# Altium PCB TIDA-01576_ADS8686S_ISO_Interface.PcbDoc (part 1 of 4) (continued)
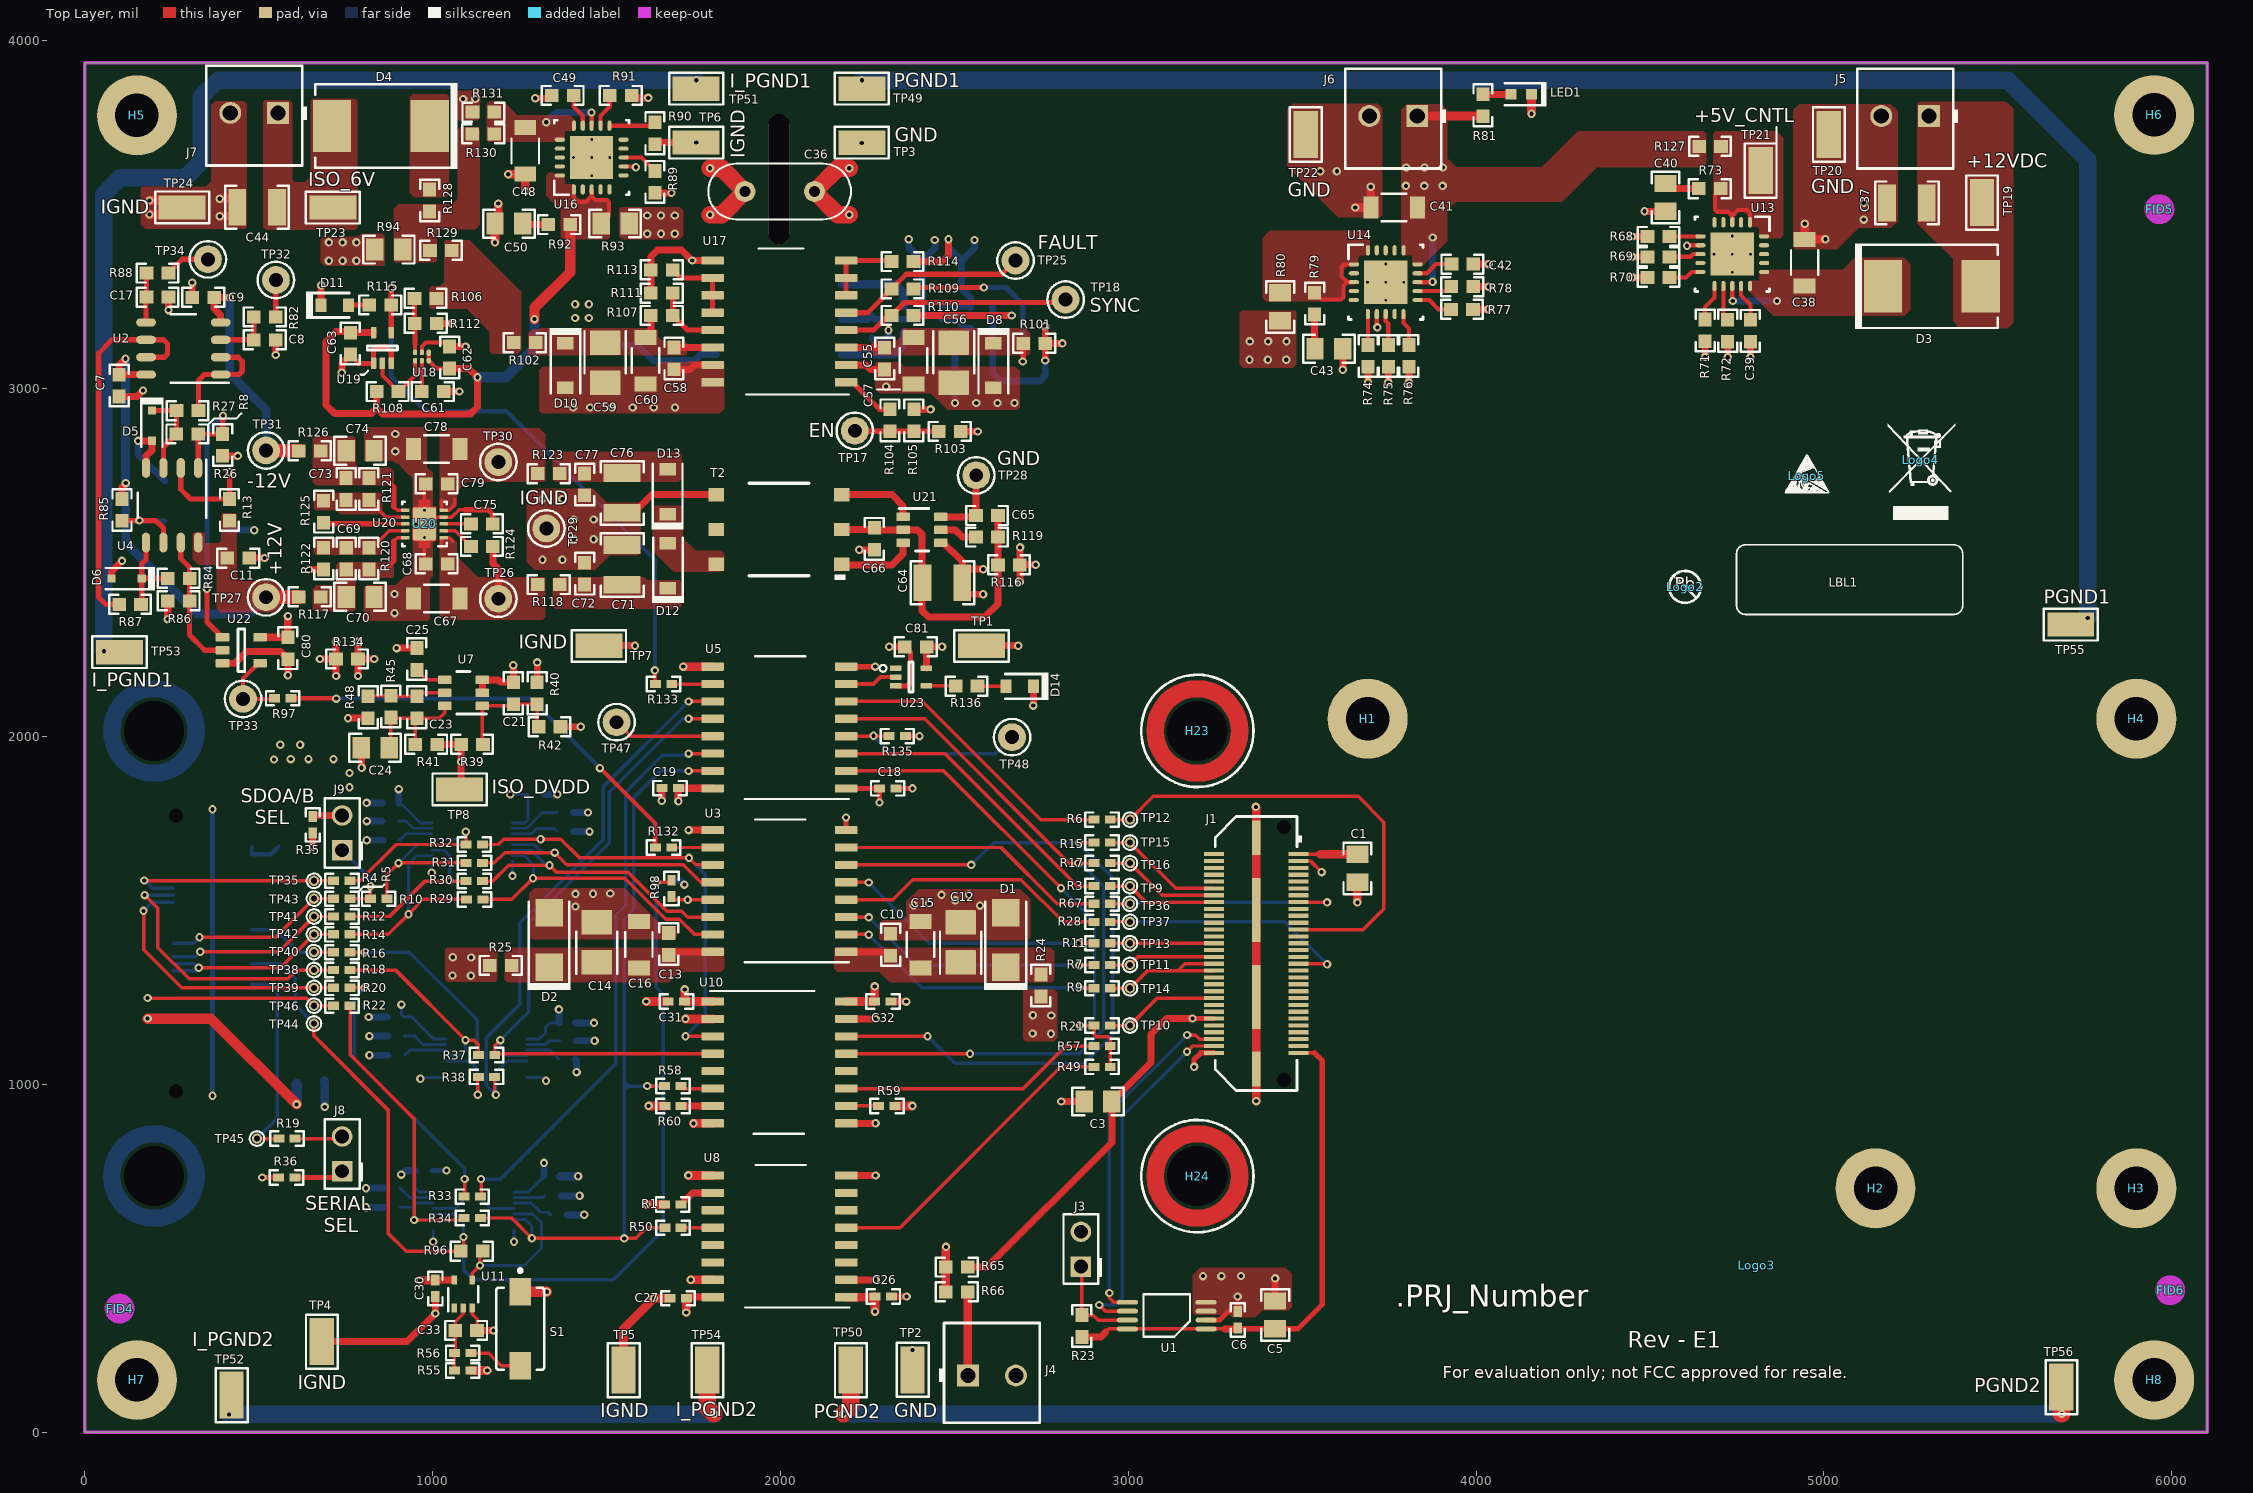
[diagram p0: Top Layer view]
## Components (designator, comment, footprint, x,y, rotation, side; value= is the part's Value field where it differs from the comment) (continued)
TP14 "TP_H0.45P0.75" TP_H045P075 3005.03,1276.24 r180 top
TP15 "TP_H0.45P0.75" TP_H045P075 3005.03,1695 r90 top
TP16 "TP_H0.45P0.75" TP_H045P075 3005.03,1636 r90 top
TP17 "5002" Keystone5002 2214,2879 r90 top
TP18 "5002" Keystone5002 2820,3256 r90 top
TP19 "5015" Testpoint_Keystone_Miniature 5455,3535 r270 top
TP20 "5015" Testpoint_Keystone_Miniature 5014,3731 r90 top
TP21 "5015" Testpoint_Keystone_Miniature 4819,3627 r270 top
TP22 "5015" Testpoint_Keystone_Miniature 3510,3731 r90 top
TP23 "5015" Testpoint_Keystone_Miniature 713,3521 r0 top
TP24 "5015" Testpoint_Keystone_Miniature 280,3521 r180 top
TP25 "5002" Keystone5002 2676,3368.44 r90 top
TP26 "5000" Keystone5000 1189,2396 r90 top
TP27 "5000" Keystone5000 521.24,2400.28 r90 top
TP28 "5001" Keystone5001 2563,2751 r90 top
TP29 "5001" Keystone5001 1327,2598.28 r90 top
TP30 "5000" Keystone5000 1189,2789 r90 top
TP31 "5000" Keystone5000 521.39,2822.73 r270 top
TP32 "5000" Keystone5000 549.49,3312.48 r90 top
TP33 "5000" Keystone5000 455,2108 r0 top
TP34 "5000" Keystone5000 354,3372 r90 top
TP35 "TP_H0.45P0.75" TP_H045P075 658.91,1585 r90 top
TP36 "TP_H0.45P0.75" TP_H045P075 3005.03,1519 r90 top
TP37 "TP_H0.45P0.75" TP_H045P075 3005.03,1467 r90 top
TP38 "TP_H0.45P0.75" TP_H045P075 658.91,1328.57 r90 top
TP39 "TP_H0.45P0.75" TP_H045P075 658.91,1277.29 r90 top
TP40 "TP_H0.45P0.75" TP_H045P075 658.76,1380 r90 top
TP41 "TP_H0.45P0.75" TP_H045P075 658.91,1482.43 r90 top
TP42 "TP_H0.45P0.75" TP_H045P075 658.91,1431.14 r90 top
TP43 "TP_H0.45P0.75" TP_H045P075 658.91,1533.71 r90 top
TP44 "TP_H0.45P0.75" TP_H045P075 658.91,1174.71 r90 top
TP45 "TP_H0.45P0.75" TP_H045P075 495,844 r90 top
TP46 "TP_H0.45P0.75" TP_H045P075 658.91,1226 r90 top
TP47 "5000" Keystone5000 1529,2041 r90 top
TP48 "5000" Keystone5000 2666,1998 r90 top
TP49 "5015" Testpoint_Keystone_Miniature 2234,3862 r180 top
TP50 "5015" Testpoint_Keystone_Miniature 2202,178 r90 top
TP51 "5015" Testpoint_Keystone_Miniature 1757.82,3862 r180 top
TP52 "5015" Testpoint_Keystone_Miniature 422,106 r90 top
TP53 "5015" Testpoint_Keystone_Miniature 100,2242 r180 top
TP54 "5015" Testpoint_Keystone_Miniature 1790,178 r90 top
TP55 "5015" Testpoint_Keystone_Miniature 5710,2322 r0 top
TP56 "5015" Testpoint_Keystone_Miniature 5683,129 r90 top
U1 "BR24G32FVT-3AGE2" TSOP65P640X120-8N 3110.73,334.96 r180 top
U2 "OPA2171AID" D0008A_N 283.49,3115.48 r180 top
U3 "ISO7763DWR" DW0016B_HV 1996.88,1555.81 r180 top
U4 "LM2903DR" D0008A_N 251,2664.84 r270 top
U5 "ISO7763DWR" DW0016B_HV 1996.88,2025.81 r180 top
U6 "SN74AVC4T245DGVR" DGV0016A_N 1113.53,1696.5 r180 bottom
U7 "TPS79101DBVR" DBV0006A_N 1088.89,2125.55 r180 top
U8 "ISO7330CDWR" DW0016B_HV 1997.88,562.81 r180 top
U9 "SN74AVC4T245DGVR" DGV0016A_N 1117.78,635.25 r180 bottom
U10 "ISO7841DWR" DW0016B_HV 1997.88,1062.81 r0 top
U11 "SN74LVC1G17DCKR" DCK0005A_L 1087.91,397.15 r90 top
U12 "SN74AVC4T245DGVR" DGV0016A_N 1154.7,1075 r180 bottom
U13 "TPS7A4700RGWR" RGW0020A 4736.8,3386.8 r270 top
U14 "TPS7A4700RGWR" RGW0020A 3740.36,3306.2 r0 top
U15 "SN6505BDBVR" DBV0006A_N 2409,3199.63 r0 bottom
U16 "TPS7A4700RGWR" RGW0020A 1457.41,3664.59 r90 top
U17 "UCC12050DVER" DVE0016A 1996.88,3193.44 r180 top
U18 "TPS3897ADRYR" DRY0006A 969.25,3092.52 r270 top
U19 "SN74LVC1G125DCKR" DCK0005A_N 855.72,3117 r90 top
U20 "TPS7A3901DSC" DSC0010J 976.66,2611.26 r180 top
U21 "SN6505BDBVR" DBV0006A_N 2407,2594.28 r0 top
U22 "SN74LVC1G32DBVR" DBV0005A_N 450.04,2248 r0 top
U23 "SN74LVC1G17DCKR" DCK0005A_N 2375.48,2171 r0 top
ZZ1 "This Assembly Note is for PCB labels only" AssemblyNoteLabel 47.25,5087.25 r0 top
ZZ2 "These assemblies are ESD sensitive, ESD precautions shall be observed." AssemblyNote 47.25,4978.36 r0 top
ZZ3 "These assemblies must be clean and free from flux and all contaminants. Use of no clean flux is not acceptable." AssemblyNote 47.25,4889.81 r0 top
ZZ4 "These assemblies must comply with workmanship standards IPC-A-610 Class 2, unless otherwise specified." AssemblyNote 47.25,4801.25 r0 top

## Footprints (in the part's own frame and the unit in brackets; to place one, negate y for a bottom-side part, rotate by r counter-clockwise, add the part's x,y. Pads: shape width x height; smd on the part's side, far side on the other; paste and mask are expansions set on the pad)
0402 [mm] "0402 from SM-752 data"
  rect 0.8x0.6 smd: 1(-0.6,0) 2(0.6,0)
  silkscreen extent -1.22,-0.52 1.22,0.52, body extent -0.55,-0.3 0.55,0.3, height 0.6
0603 [mm] "0603 from SM-752 data"
  rect 1x0.95 smd: 1(-0.8,0) 2(0.8,0)
  silkscreen extent -1.52,-0.69 1.52,0.69, body extent -0.87,-0.47 0.87,0.47, height 1
0603_HV [mil] "Ernesto recommended land pattern.  26 mil between pads."
  rect 30x30 smd: 1(-28,0) 2(28,0)
  silkscreen extent -52,-24 52,24, body extent -34,-19 34,19, height 39
0805_HV [mil] "0805 with 30mil clearance between pads"
  rect 50x63 smd: 1(-40,0) 2(40,0)
  silkscreen extent -74,-40 74,40, body extent -43,-29 43,29, height 57
1206 [mm] "1206 from SM-752 data"
  rect 1.3x1.85 smd: 1(-1.45,0) 2(1.45,0)
  silkscreen extent -2.4,-1.21 2.4,1.21, body extent -1.7,-0.9 1.7,0.9, height 1.35
1206_180 [mm] "1206_180"
  rect 1.1x1.6 smd: 1(-1.7,0) 2(1.7,0)
  silkscreen extent -0.9,-1 0.9,1, body extent -1.75,-0.95 1.75,0.95, height 1.8
1206_190 [mm] "1206_190"
  rect 1.1x1.6 smd: 1(-1.7,0) 2(1.7,0)
  silkscreen extent -0.9,-1 0.9,1, body extent -1.75,-0.95 1.75,0.95, height 1.9
1210 [mm] "1210 from SM-752 data"
  rect 1.3x2.7 smd: 1(-1.45,0) 2(1.45,0)
  silkscreen extent -2.32,-1.57 2.32,1.57, body extent -1.7,-1.35 1.7,1.35, height 1.35
1210_270 [mm] "1210"
  rect 1.3x2.7 smd: 1(-1.45,0) 2(1.45,0)
  silkscreen extent -2.32,-1.57 2.32,1.57, body extent -1.7,-1.35 1.7,1.35, height 2.7
3528-21 [mm] "Medium Density IPC, based on Kemet datasheet 2016-10-20"
  rrect6% 1.8x2.23 smd: 1(-1.46,0) 2(1.46,0)
  silkscreen extent -2.29,-1.5 0.76,1.5, body extent -1.85,-1.5 1.85,1.5, height 2.12
760390015 [mm]
  rect 1.27x0.66 smd mask+0.102: 1(0,0) 2(0,-2.54) 3(0,-5.08) 4(9.14,-5.08) 5(9.14,-2.54) 6(9.14,0)
  silkscreen extent -1.72,-6.35 10.2,1.27, body extent -1,-6.4 10.2,1.2, height 4.2
AssemblyNote [mil] "Assembly Note"
AssemblyNoteLabel [mil] "Assembly Note for PCB Labels"
B_F_PMSSS4400025PH [mil] "MACHINE SCREW PAN PHILLIPS 4-40"
  round 230 hole 125: 1(0,0)
  body extent -109,-109 110,110, height 79
CAP_200mil [mil]
  round 60 hole 32 mask+5: 1(-100,0)
  round 60 hole 32 mask+4: 2(100,0)
  silkscreen extent -205,-80 205,80
CONN_PEC02SAAN [mm] "SULLINS"
  rrect7% 1.5x1.5 hole 1.016: 1(-1.27,0)
  round 1.5 hole 1.016: 2(1.27,0)
  silkscreen extent -2.54,-1.52 2.54,1.27, body extent -2.54,-1.27 2.54,1.27, height 8.38
D0008A_N [mm] "SOIC, 8-Leads, Body 4.9x3.9mm, Pitch 1.27mm, IPC Medium Density"
  oval 1.45x0.6 smd: 1(-2.725,1.905) 2(-2.725,0.635) 3(-2.725,-0.635) 4(-2.725,-1.905) 5(2.725,-1.905) 6(2.725,-0.635) 7(2.725,0.635) 8(2.725,1.905)
  silkscreen extent -3.3,-2.5 0.9,2.5, body extent -3,-2.45 3,2.45, height 1.63
DBV0005A_N [mm] "SOT23, 5-Leads, Body 2.9x1.6mm, Pitch 0.95mm, Lead Span 2.8mm, IPC Medium Density"
  rrect17% 1x0.6 smd: 1(-1.375,0.95) 2(-1.375,0) 3(-1.375,-0.95) 4(1.375,-0.95) 5(1.375,0.95)
  silkscreen extent -0.25,-1.55 0.25,1.55, body extent -1.42,-1.46 1.42,1.46, height 1.09
DBV0006A_N [mm] "SOT23, 6-Leads, Body 2.9x1.6mm, Pitch 0.95mm, Lead Span 2.8mm, IPC Medium Density"
  rrect17% 1x0.6 smd: 1(-1.375,0.95) 2(-1.375,0) 3(-1.375,-0.95) 4(1.375,-0.95) 5(1.375,0) 6(1.375,0.95)
  silkscreen extent -1.68,-1.55 0.5,1.55, body extent -1.42,-1.46 1.42,1.46, height 1.12
DCK0005A_L [mm] "SOT353, 5-Leads, Body 2x1.3mm, Pitch 0.65mm, Lead Span 2.1mm, IPC High Density"
  rrect25% 0.65x0.4 smd: 1(-1.025,0.65) 2(-1.025,0) 3(-1.025,-0.65) 4(1.025,-0.65) 5(1.025,0.65)
  silkscreen extent -1.27,-1.09 0.56,1.09, body extent -1.14,-1 1.14,1, height 0.95
DCK0005A_N [mm] "SOT353, 5-Leads, Body 2x1.3mm, Pitch 0.65mm, Lead Span 2.1mm, IPC Medium Density"
  rrect25% 0.85x0.4 smd: 1(-1.125,0.65) 2(-1.125,0) 3(-1.125,-0.65) 4(1.125,-0.65) 5(1.125,0.65)
  silkscreen extent -0.15,-1.1 0.15,1.1, body extent -1.14,-1 1.14,1, height 0.95
DGV0016A_N [mm] "TSSOP, 16-Leads, Body 3.6x4.4mm, Pitch 0.4mm, IPC Medium Density"
  oval 1.4x0.2 smd: 1(-2.95,1.4) 2(-2.95,1) 3(-2.95,0.6) 4(-2.95,0.2) 5(-2.95,-0.2) 6(-2.95,-0.6) 7(-2.95,-1) 8(-2.95,-1.4) 9(2.95,-1.4) 10(2.95,-1) 11(2.95,-0.6) 12(2.95,-0.2) 13(2.95,0.2) 14(2.95,0.6) 15(2.95,1) 16(2.95,1.4)
  silkscreen extent -3.45,-1.85 1.85,1.85, body extent -3.21,-1.8 3.21,1.8, height 1.2
DRY0006A [mm] "USON-6"
  rrect67% 0.45x0.3 smd paste-0.05 mask-0.05: 1(-0.275,0.5)
  rrect67% 0.4x0.3 smd paste-0.05 mask-0.05: 2(-0.3,0) 3(-0.3,-0.5) 4(0.3,-0.5) 5(0.3,0) 6(0.3,0.5)
  body extent -0.5,-0.72 0.5,0.73, height 0.58
DSC0010J [mm] "SON, 10-Leads, Body 3x3mm, Pitch 0.5mm, Thermal Pad 2.4x1.65mm, TI Recommended"
  rrect40% 0.6x0.25 smd: 1(-1.4,1) 2(-1.4,0.5) 3(-1.4,0) 4(-1.4,-0.5) 5(-1.4,-1) 6(1.4,-1) 7(1.4,-0.5) 8(1.4,0) 9(1.4,0.5) 10(1.4,1)
  rrect40% 0.25x0.34 on Top Paste: 11(-0.25,1.53) 11(-0.25,-1.53) 11(0.25,1.53) 11(0.25,-1.53)
  rrect9% 1.5x1.06 on Top Paste: 11(0,0.63) 11(0,-0.63)
  rrect12% 1.65x2.4 smd paste-1 mask-2: 11(0,0)
  Top Layer region: -0.775,-1.25 -0.425,-1.25 -0.425,-1.65 -0.417,-1.688 -0.396,-1.721 -0.363,-1.742 -0.325,-1.75 -0.325,-1.75 -0.325,-1.75 -0.175,-1.75 -0.175,-1.75 -0.137,-1.742 -0.104,-1.721 -0.083,-1.688 -0.075,-1.65 -0.075,-1.65 -0.075,-1.25 0.075,-1.25 0.075,-1.65 0.083,-1.688 0.104,-1.721 0.137,-1.742 0.175,-1.75 0.175,-1.75 0.175,-1.75 0.325,-1.75 0.325,-1.75 0.363,-1.742 0.396,-1.721 0.417,-1.688 0.425,-1.65 0.425,-1.65 0.425,-1.25 0.775,-1.25 0.813,-1.242 0.846,-1.221 0.867,-1.188 0.875,-1.15 0.875,-1.15 0.875,1.15 0.867,1.188 0.846,1.221 0.813,1.242 0.775,1.25 0.775,1.25 0.425,1.25 0.425,1.65 0.417,1.688 0.396,1.721 0.363,1.742 0.325,1.75 0.325,1.75 0.175,1.75 0.137,1.742 0.104,1.721 0.083,1.688 0.075,1.65 0.075,1.65 0.075,1.25 -0.075,1.25 -0.075,1.65 -0.083,1.688 -0.104,1.721 -0.137,1.742 -0.175,1.75 -0.175,1.75 -0.325,1.75 -0.363,1.742 -0.396,1.721 -0.417,1.688 -0.425,1.65 -0.425,1.65 -0.425,1.25 -0.775,1.25 -0.813,1.242 -0.846,1.221 -0.867,1.188 -0.875,1.15 -0.875,1.15 -0.875,-1.15 -0.867,-1.188 -0.846,-1.221 -0.813,-1.242 -0.775,-1.25
  silkscreen extent -1.63,-1.63 1.63,1.63, body extent -1.5,-1.5 1.5,1.5, height 0.81
DVE0016A [mm] "SO-MOD-16"
  rrect17% 1.65x0.6 smd: 1(-4.875,4.445) 2(-4.875,3.175) 3(-4.875,1.905) 4(-4.875,0.635) 5(-4.875,-0.635) 6(-4.875,-1.905) 7(-4.875,-3.175) 8(-4.875,-4.445) 9(4.875,-4.445) 10(4.875,-3.175) 11(4.875,-1.905) 12(4.875,-0.635) 13(4.875,0.635) 14(4.875,1.905) 15(4.875,3.175) 16(4.875,4.445)
  silkscreen extent -5.08,-5.33 2.41,5.33, body extent -5.17,-5.15 5.17,5.15, height 2.59
DW0016B_HV [mm] "SOIC-16, HV/isolation option"
  rrect17% 1.65x0.6 smd: 1(-4.875,4.445) 2(-4.875,3.175) 3(-4.875,1.905) 4(-4.875,0.635) 5(-4.875,-0.635) 6(-4.875,-1.905) 7(-4.875,-3.175) 8(-4.875,-4.445) 9(4.875,-4.445) 10(4.875,-3.175) 11(4.875,-1.905) 12(4.875,-0.635) 13(4.875,0.635) 14(4.875,1.905) 15(4.875,3.175) 16(4.875,4.445)
  silkscreen extent -5.08,-5.21 2.54,5.21, body extent -5.17,-5.15 5.17,5.15, height 2.59
ESD_Overlay_small [mil]
  silkscreen extent -62,-48 64,61
FCC_disclaimer [mil]
Fiducial10-20 [mm]
  round 1 smd mask+0.5: 1(0,0)
  Top Layer keep-out circle w1.178: c0,0 r0.5
Keystone5000 [mil] "For Keystone 500x miniature loop terminals"
  round 80 hole 40: 1(0,0)
  silkscreen extent -52,-52 52,52, body extent -49,-49 49,49, height 182
Keystone5001 [mil] "For Keystone 500x miniature loop terminals"
  round 80 hole 40: 1(0,0)
  silkscreen extent -52,-52 52,52, body extent -49,-49 49,49, height 182
Keystone5002 [mil] "For Keystone 500x miniature loop terminals"
  round 80 hole 40: 1(0,0)
  silkscreen extent -52,-52 52,52, body extent -49,-49 49,49, height 182
Keystone_1891 [mil] "3/16 Hex Female Standoff"
  body extent -108,-93 108,94, height 245
Keystone_1893 [mil] "HEX STANDOFF 4-40 ALUMINUM 1/2\""
  body extent -108,-93 108,94, height 500
Label_650x200 [mil] "Thermal Transfer Label"
  silkscreen extent -325,-100 325,100, body extent -325,-100 325,100, height 1
LG_M67K_Green [mm] "SMD, 2-Leads, Body 2x1.4mm, Pitch 2mm"
  rect 0.8x1 smd mask+0: 1(-1,0) 2(1,0)
  silkscreen extent -2.1,-1 1.05,1, body extent -1.05,-0.75 1.05,0.75, height 1.4
LTST-C193_Green_S [mm] "SMD, 2-Leads, Body 1.6x0.8mm"
  rrect12% 0.8x0.8 smd: 1(-0.75,0) 2(0.75,0)
  silkscreen extent -1.2,-0.9 1.85,0.9, body extent -0.85,-0.45 0.85,0.45, height 0.45
MOLEX_39357-0002 [mm] "Terminal Block, 3.5 mm, 2x1, TH"
  rect 1.6x1.6 hole 1.1: 1(-1.75,0)
  round 1.6 hole 1.1: 2(1.75,0)
  silkscreen extent -3.86,-3.45 3.5,3.84, body extent -3.55,-3.45 3.56,3.84, height 8.51
Pb-Free_Overlay_Small [mil]
  silkscreen extent -46,-46 46,46
RGW0020A [mm] "QFN, 20-Leads, Body 5x5mm, Pitch 0.65mm, Thermal Pad 3.15x3.15mm, TI Recommended"
  oval 0.75x0.3 smd: 1(-2.325,1.3) 2(-2.325,0.65) 3(-2.325,0) 4(-2.325,-0.65) 5(-2.325,-1.3) 11(2.325,-1.3) 12(2.325,-0.65) 13(2.325,0) 14(2.325,0.65) 15(2.325,1.3)
  oval 0.3x0.75 smd: 6(-1.3,-2.325) 7(-0.65,-2.325) 8(0,-2.325) 9(0.65,-2.325) 10(1.3,-2.325) 16(1.3,2.325) 17(0.65,2.325) 18(0,2.325) 19(-0.65,2.325) 20(-1.3,2.325)
  rect 3.15x3.15 smd paste-1.575: 21(0,0)
  silkscreen extent -2.73,-2.73 2.73,2.73, body extent -2.58,-2.57 2.57,2.58, height 1.01
Samtec_QSH-030-01-X-D-A [mm] "Receptacle, 0.5 mm, 30x2, TH"
  rect 2.27x0.279 smd: 1(-2.865,7.25) 2(2.865,7.25) 3(-2.865,6.75) 4(2.865,6.75) 5(-2.865,6.25) 6(2.865,6.25) 7(-2.865,5.75) 8(2.865,5.75) 9(-2.865,5.25) 10(2.865,5.25) 11(-2.865,4.75) 12(2.865,4.75) 13(-2.865,4.25) 14(2.865,4.25) 15(-2.865,3.75) 16(2.865,3.75) 17(-2.865,3.25) 18(2.865,3.25) 19(-2.865,2.75) 20(2.865,2.75) 21(-2.865,2.25) 22(2.865,2.25) 23(-2.865,1.75) 24(2.865,1.75) 25(-2.865,1.25) 26(2.865,1.25) 27(-2.865,0.75) 28(2.865,0.75) 29(-2.865,0.25) 30(2.865,0.25) 31(-2.865,-0.25) 32(2.865,-0.25) 33(-2.865,-0.75) 34(2.865,-0.75) 35(-2.865,-1.25) 36(2.865,-1.25) 37(-2.865,-1.75) 38(2.865,-1.75) 39(-2.865,-2.25) 40(2.865,-2.25) 41(-2.865,-2.75) 42(2.865,-2.75) 43(-2.865,-3.25) 44(2.865,-3.25) 45(-2.865,-3.75) 46(2.865,-3.75) 47(-2.865,-4.25) 48(2.865,-4.25) 49(-2.865,-4.75) 50(2.865,-4.75) 51(-2.865,-5.25) 52(2.865,-5.25) 53(-2.865,-5.75) 54(2.865,-5.75) 55(-2.865,-6.25) 56(2.865,-6.25) 57(-2.865,-6.75) 58(2.865,-6.75) 59(-2.865,-7.25) 60(2.865,-7.25)
  round 0 hole 1.02 unplated: MH1(2.67,10.065) MH2(2.67,-10.065)
  rect 0.43x2.54 smd: MP1(0,8.065) MP4(0,-8.065)
  rect 0.43x4.7 smd: MP2(0,3.175) MP3(0,-3.175)
  silkscreen extent -3.9,-10.66 3.62,10.66, body extent -3.75,-10.64 3.75,10.67, height 3.25
Samtec_QTH-030-01-x-D-A [mil] "Header (Shrouded), 19.7mil, 30x2, SMT"
  rect 12x57 smd: 1(-285.7,121.5) 2(-285.7,-121.5) 3(-266,121.5) 4(-266,-121.5) 5(-246.3,121.5) 6(-246.3,-121.5) 7(-226.6,121.5) 8(-226.6,-121.5) 9(-206.9,121.5) 10(-206.9,-121.5) 11(-187.2,121.5) 12(-187.2,-121.5) 13(-167.5,121.5) 14(-167.5,-121.5) 15(-147.8,121.5) 16(-147.8,-121.5) 17(-128.1,121.5) 18(-128.1,-121.5) 19(-108.4,121.5) 20(-108.4,-121.5) 21(-88.7,121.5) 22(-88.7,-121.5) 23(-69,121.5) 24(-69,-121.5) 25(-49.3,121.5) 26(-49.3,-121.5) 27(-29.6,121.5) 28(-29.6,-121.5) 29(-9.9,121.5) 30(-9.9,-121.5) 31(9.8,121.5) 32(9.8,-121.5) 33(29.5,121.5) 34(29.5,-121.5) 35(49.2,121.5) 36(49.2,-121.5) 37(68.9,121.5) 38(68.9,-121.5) 39(88.6,121.5) 40(88.6,-121.5) 41(108.3,121.5) 42(108.3,-121.5) 43(128,121.5) 44(128,-121.5) 45(147.7,121.5) 46(147.7,-121.5) 47(167.4,121.5) 48(167.4,-121.5) 49(187.1,121.5) 50(187.1,-121.5) 51(206.8,121.5) 52(206.8,-121.5) 53(226.5,121.5) 54(226.5,-121.5) 55(246.2,121.5) 56(246.2,-121.5) 57(265.9,121.5) 58(265.9,-121.5) 59(285.6,121.5) 60(285.6,-121.5)
  round 0 hole 40 unplated: MH1(-364,80) MH2(364,80)
  rect 100x25 smd: MP1(-332.7,0) MP4(332.3,0)
  rect 185x25 smd: MP2(-125.2,0) MP3(124.8,0)
  silkscreen extent -394,-118 394,131, body extent -394,-140 394,140, height 170
SMA [mm] "Molded Diode, 2-Leads, Body 4.3x2.6mm, IPC Medium Density, based on OnSemi component dimensions and land pattern"
  rect 2x2 smd: 1(-2,0) 2(2,0)
  silkscreen extent -3.66,-1.57 2.79,1.57, body extent -2.6,-1.3 2.6,1.3, height 2.42
SMC [mil] "Molded Diode, 2-Leads, Body 6.9x5.8mm, IPC Medium Density, based on OnSemi component dimensions and land patterns"
  rect 110x150 smd: 1(-140.49,0) 2(140.49,0)
  silkscreen extent -221,-124 189,123, body extent -156,-116 156,116, height 91
SOD-123 [mm] "On Semi recommended land pattern"
  rect 0.915x1.22 smd: 1(-1.637,0) 2(1.637,0)
  silkscreen extent -2.74,-1.17 2.03,1.17, body extent -1.93,-0.9 1.93,0.9, height 1.35
SOD-323#1 [mm] "NXP recommended land pattern"
  rect 0.6x0.6 smd: 1(-1.1,0) 2(1.1,0)
  silkscreen extent -2.06,-0.86 1.53,0.86, body extent -1.3,-0.67 1.3,0.68, height 1.1
SOD-323#2 [mm] "NXP recommended land pattern"
  rect 0.6x0.6 smd paste-0.05: 1(-1.1,0) 2(1.1,0)
  silkscreen extent -2.06,-0.86 1.53,0.86, body extent -1.3,-0.67 1.3,0.68, height 1.1
SW_EVQPNF04M [mm] "SMD, 2-Leads, Body 6x4mm"
  rect 2x1.6 smd: 1(-2.7,0) 2(2.7,0)
  silkscreen extent -4.37,-1.75 3,1.75, body extent -3.6,-1.75 3.6,1.75, height 4.3
Testpoint_Keystone_Miniature [mil] "Miniature SMT test point"
  rect 135x70 smd: 1(0,0)
  silkscreen extent -78,-46 78,45, body extent -52,-20 52,20, height 61
TP_H045P075 [mm] "TP_H0.45P0.75"
  round 0.75 hole 0.45: 1(0,0)
  silkscreen extent -0.53,-0.53 0.53,0.53
TSOP65P640X120-8N [mm] "TSOP, 8-Leads, Body 3.1x4.5mm (max), Pitch 0.65mm, IPC Medium Density"
  oval 1.55x0.35 smd mask+0.08: 1(-2.875,0.975) 2(-2.875,0.325) 3(-2.875,-0.325) 4(-2.875,-0.975) 5(2.875,-0.975) 6(2.875,-0.325) 7(2.875,0.325) 8(2.875,0.975)
  silkscreen extent -1.7,-1.55 1.7,1.55, body extent -2.25,-1.55 2.25,1.55, height 1.21
WEEE_Minimum [mil] "WEEElie bin"
  silkscreen extent -95,-172 99,104
Wurth_760390013 [mil] "Wurth"
  rect 44x38 smd: 1(-180,100) 2(-180,0) 3(-180,-100) 4(180,-100) 5(180,0) 6(180,100)
  silkscreen extent -190,-132 85,145, body extent -198,-135 198,130, height 166
Wurth_WA-SMSI [mm] "ROUND STANDOFF M3 STEEL 5MM"
  round 0 hole 4.4 unplated: ""(0,0)
  Top Layer region: -3.711,0 -3.666,0.581 -3.53,1.147 -3.307,1.685 -3.003,2.182 -2.624,2.624 -2.182,3.003 -1.685,3.307 -1.147,3.53 -0.581,3.666 0,3.711 0.581,3.666 1.147,3.53 1.685,3.307 2.182,3.003 2.624,2.624 3.003,2.182 3.307,1.685 3.53,1.147 3.666,0.581 3.711,0 3.7,0 2.466,0 2.418,0.481 2.278,0.944 2.05,1.37 1.744,1.744 1.37,2.05 0.944,2.278 0.481,2.418 0,2.466 -0.481,2.418 -0.944,2.278 -1.37,2.05 -1.744,1.744 -2.05,1.37 -2.278,0.944 -2.418,0.481 -2.466,0 -2.454,0
  Top Layer region: -3.711,0 -3.666,-0.581 -3.53,-1.147 -3.307,-1.685 -3.003,-2.182 -2.624,-2.624 -2.182,-3.003 -1.685,-3.307 -1.147,-3.53 -0.581,-3.666 0,-3.711 0.581,-3.666 1.147,-3.53 1.685,-3.307 2.182,-3.003 2.624,-2.624 3.003,-2.182 3.307,-1.685 3.53,-1.147 3.666,-0.581 3.711,0 3.7,0 2.466,0 2.418,-0.481 2.278,-0.944 2.05,-1.37 1.744,-1.744 1.37,-2.05 0.944,-2.278 0.481,-2.418 0,-2.466 -0.481,-2.418 -0.944,-2.278 -1.37,-2.05 -1.744,-1.744 -2.05,-1.37 -2.278,-0.944 -2.418,-0.481 -2.466,0 -2.454,0
  silkscreen extent -4.1,-4.1 4.1,4.1, body extent -3,-3 3,3, height 5